# KiCad board Si5351ABreakout_panel.kicad_pcb (continued)
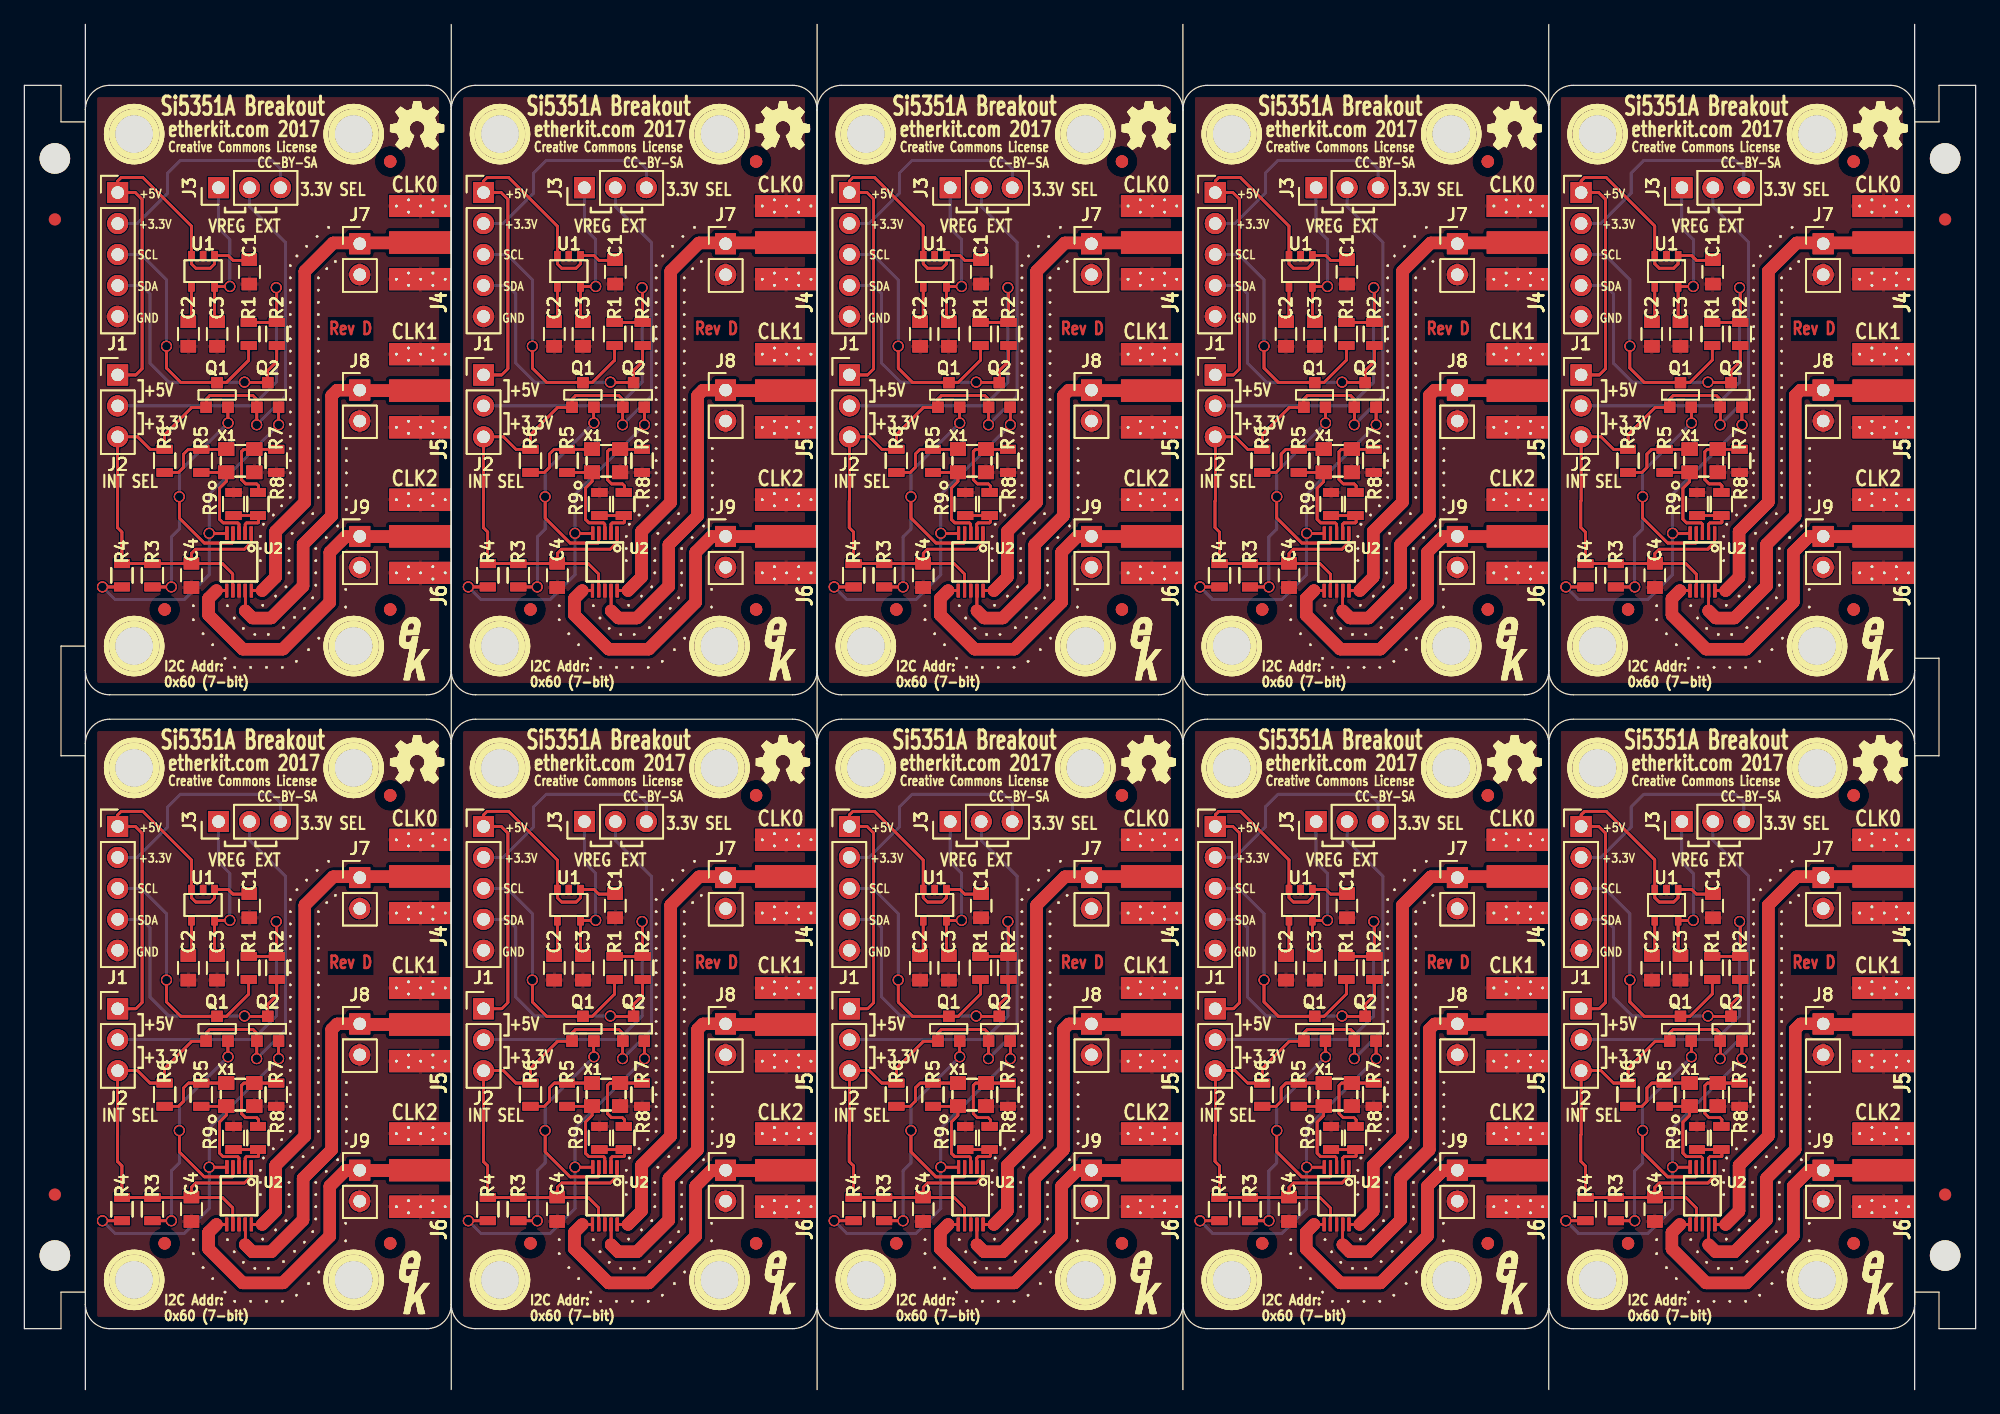
[diagram p0: board, top side]
## Routing (per net, layer and track width the routed paths; a pad name or vN(x,y) marks a point on that pad's centre or on a via; arc(x,y) is an arc through that point) (continued)
Net-(C2-Pad1): length 121.2
  Top w0.2: 13.7,87.8 13.45,87.55 ; 13.7,87.8 U1.4 ; 13.7,87.8 13.45,87.55 ; 13.7,87.8 13.45,87.55 ; 13.7,87.8 U1.4 ; 13.7,87.8 U1.4 ; 13.7,87.8 13.45,87.55 ; 13.7,87.8 U1.4 ; 43.7,87.8 43.45,87.55 ; 43.7,87.8 U1#2.4 ; 43.7,87.8 43.45,87.55 ; 43.7,87.8 43.45,87.55 ; 43.7,87.8 U1#2.4 ; 43.7,87.8 U1#2.4 ; 43.7,87.8 43.45,87.55 ; 43.7,87.8 U1#2.4 ; 73.7,87.8 73.45,87.55 ; 73.7,87.8 U1#3.4 ; 73.7,87.8 73.45,87.55 ; 73.7,87.8 73.45,87.55 ; 73.7,87.8 U1#3.4 ; 73.7,87.8 U1#3.4 ; 73.7,87.8 73.45,87.55 ; 73.7,87.8 U1#3.4 ; 103.7,87.8 103.45,87.55 ; 103.7,87.8 U1#4.4 ; 103.7,87.8 103.45,87.55 ; 103.7,87.8 103.45,87.55 ; 103.7,87.8 U1#4.4 ; 103.7,87.8 U1#4.4 ; 103.7,87.8 103.45,87.55 ; 103.7,87.8 U1#4.4 ; 133.7,87.8 133.45,87.55 ; 133.7,87.8 U1#5.4 ; 133.7,87.8 133.45,87.55 ; 133.7,87.8 133.45,87.55 ; 133.7,87.8 U1#5.4 ; 133.7,87.8 U1#5.4 ; 133.7,87.8 133.45,87.55 ; 133.7,87.8 U1#5.4 ; 103.7,35.8 103.45,35.55 ; 103.7,35.8 103.45,35.55 ; 103.7,35.8 103.45,35.55 ; 103.7,35.8 103.45,35.55 ; 103.7,35.8 U1#37.4 ; 103.7,35.8 U1#37.4 ; 103.7,35.8 U1#37.4 ; 103.7,35.8 U1#37.4 ; U1#33.4 133.7,35.8 ; U1#33.4 133.7,35.8 ; U1#33.4 133.7,35.8 ; U1#33.4 133.7,35.8 ; 133.7,35.8 133.45,35.55 ; 133.7,35.8 133.45,35.55 ; 133.7,35.8 133.45,35.55 ; 133.7,35.8 133.45,35.55 ; U1#25.4 73.7,35.8 ; U1#25.4 73.7,35.8 ; U1#25.4 73.7,35.8 ; U1#25.4 73.7,35.8 ; 73.7,35.8 73.45,35.55 ; 73.7,35.8 73.45,35.55 ; 73.7,35.8 73.45,35.55 ; 73.7,35.8 73.45,35.55 ; U1#21.4 13.7,35.8 ; U1#21.4 13.7,35.8 ; U1#21.4 13.7,35.8 ; U1#21.4 13.7,35.8 ; 13.7,35.8 13.45,35.55 ; 13.7,35.8 13.45,35.55 ; 13.7,35.8 13.45,35.55 ; 13.7,35.8 13.45,35.55 ; U1#29.4 43.7,35.8 ; U1#29.4 43.7,35.8 ; U1#29.4 43.7,35.8 ; U1#29.4 43.7,35.8 ; 43.7,35.8 43.45,35.55 ; 43.7,35.8 43.45,35.55 ; 43.7,35.8 43.45,35.55 ; 43.7,35.8 43.45,35.55
Net-(C3-Pad1): length 510.2
  Top w0.2: 15.6,87.75 15.8,87.55 ; 15.6,87.75 U1.5 ; 15.6,87.75 15.8,87.55 ; 15.6,87.75 15.8,87.55 ; 15.6,87.75 U1.5 ; 15.6,87.75 U1.5 ; 15.6,87.75 15.8,87.55 ; 15.6,87.75 U1.5 ; 45.6,87.75 45.8,87.55 ; 45.6,87.75 U1#2.5 ; 45.6,87.75 45.8,87.55 ; 45.6,87.75 45.8,87.55 ; 45.6,87.75 U1#2.5 ; 45.6,87.75 U1#2.5 ; 45.6,87.75 45.8,87.55 ; 45.6,87.75 U1#2.5 ; 75.6,87.75 75.8,87.55 ; 75.6,87.75 U1#3.5 ; 75.6,87.75 75.8,87.55 ; 75.6,87.75 75.8,87.55 ; 75.6,87.75 U1#3.5 ; 75.6,87.75 U1#3.5 ; 75.6,87.75 75.8,87.55 ; 75.6,87.75 U1#3.5 ; 105.6,87.75 105.8,87.55 ; 105.6,87.75 U1#4.5 ; 105.6,87.75 105.8,87.55 ; 105.6,87.75 105.8,87.55 ; 105.6,87.75 U1#4.5 ; 105.6,87.75 U1#4.5 ; 105.6,87.75 105.8,87.55 ; 105.6,87.75 U1#4.5 ; 135.6,87.75 135.8,87.55 ; 135.6,87.75 U1#5.5 ; 135.6,87.75 135.8,87.55 ; 135.6,87.75 135.8,87.55 ; 135.6,87.75 U1#5.5 ; 135.6,87.75 U1#5.5 ; 135.6,87.75 135.8,87.55 ; 135.6,87.75 U1#5.5 ; v1(16.85,90.5) 16.83,90.48 ; v1(16.85,90.5) 16.83,90.48 ; v1(16.85,90.5) 16.83,90.48 ; v1(16.85,90.5) 16.83,90.48 ; 16.83,90.48 U1.5 ; 16.83,90.48 U1.5 ; 16.83,90.48 U1.5 ; 16.83,90.48 U1.5 ; v1(46.85,90.5) 46.83,90.48 ; v1(46.85,90.5) 46.83,90.48 ; v1(46.85,90.5) 46.83,90.48 ; v1(46.85,90.5) 46.83,90.48 ; 46.83,90.48 U1#2.5 ; 46.83,90.48 U1#2.5 ; 46.83,90.48 U1#2.5 ; 46.83,90.48 U1#2.5 ; v1(76.85,90.5) 76.83,90.48 ; v1(76.85,90.5) 76.83,90.48 ; v1(76.85,90.5) 76.83,90.48 ; v1(76.85,90.5) 76.83,90.48 ; 76.83,90.48 U1#3.5 ; 76.83,90.48 U1#3.5 ; 76.83,90.48 U1#3.5 ; 76.83,90.48 U1#3.5 ; v1(106.85,90.5) 106.83,90.48 ; v1(106.85,90.5) 106.83,90.48 ; v1(106.85,90.5) 106.83,90.48 ; v1(106.85,90.5) 106.83,90.48 ; 106.83,90.48 U1#4.5 ; 106.83,90.48 U1#4.5 ; 106.83,90.48 U1#4.5 ; 106.83,90.48 U1#4.5 ; v1(136.85,90.5) 136.83,90.48 ; v1(136.85,90.5) 136.83,90.48 ; v1(136.85,90.5) 136.83,90.48 ; v1(136.85,90.5) 136.83,90.48 ; 136.83,90.48 U1#5.5 ; 136.83,90.48 U1#5.5 ; 136.83,90.48 U1#5.5 ; 136.83,90.48 U1#5.5 ; v1(106.85,38.5) 106.83,38.48 ; v1(106.85,38.5) 106.83,38.48 ; v1(106.85,38.5) 106.83,38.48 ; v1(106.85,38.5) 106.83,38.48 ; 106.83,38.48 U1#37.5 ; 106.83,38.48 U1#37.5 ; 106.83,38.48 U1#37.5 ; 106.83,38.48 U1#37.5 ; U1#37.5 105.6,35.75 ; U1#37.5 105.6,35.75 ; U1#37.5 105.6,35.75 ; U1#37.5 105.6,35.75 ; 105.6,35.75 105.8,35.55 ; 105.6,35.75 105.8,35.55 ; 105.6,35.75 105.8,35.55 ; 105.6,35.75 105.8,35.55 ; v1(136.85,38.5) 136.83,38.48 ; v1(136.85,38.5) 136.83,38.48 ; v1(136.85,38.5) 136.83,38.48 ; v1(136.85,38.5) 136.83,38.48 ; 136.83,38.48 U1#33.5 ; 136.83,38.48 U1#33.5 ; 136.83,38.48 U1#33.5 ; 136.83,38.48 U1#33.5 ; U1#33.5 135.6,35.75 ; U1#33.5 135.6,35.75 ; U1#33.5 135.6,35.75 ; U1#33.5 135.6,35.75 ; 135.6,35.75 135.8,35.55 ; 135.6,35.75 135.8,35.55 ; 135.6,35.75 135.8,35.55 ; 135.6,35.75 135.8,35.55 ; v1(76.85,38.5) 76.83,38.48 ; v1(76.85,38.5) 76.83,38.48 ; v1(76.85,38.5) 76.83,38.48 ; v1(76.85,38.5) 76.83,38.48 ; 76.83,38.48 U1#25.5 ; 76.83,38.48 U1#25.5 ; 76.83,38.48 U1#25.5 ; 76.83,38.48 U1#25.5 ; U1#25.5 75.6,35.75 ; U1#25.5 75.6,35.75 ; U1#25.5 75.6,35.75 ; U1#25.5 75.6,35.75 ; 75.6,35.75 75.8,35.55 ; 75.6,35.75 75.8,35.55 ; 75.6,35.75 75.8,35.55 ; 75.6,35.75 75.8,35.55 ; 16.83,38.48 U1#21.5 ; 16.83,38.48 v1(16.85,38.5) ; 16.83,38.48 U1#21.5 ; 16.83,38.48 U1#21.5 ; 16.83,38.48 U1#21.5 ; 16.83,38.48 v1(16.85,38.5) ; 16.83,38.48 v1(16.85,38.5) ; 16.83,38.48 v1(16.85,38.5) ; U1#21.5 15.6,35.75 ; U1#21.5 15.6,35.75 ; U1#21.5 15.6,35.75 ; U1#21.5 15.6,35.75 ; 15.6,35.75 15.8,35.55 ; 15.6,35.75 15.8,35.55 ; 15.6,35.75 15.8,35.55 ; 15.6,35.75 15.8,35.55 ; v1(46.85,38.5) 46.83,38.48 ; v1(46.85,38.5) 46.83,38.48 ; v1(46.85,38.5) 46.83,38.48 ; v1(46.85,38.5) 46.83,38.48 ; 46.83,38.48 U1#29.5 ; 46.83,38.48 U1#29.5 ; 46.83,38.48 U1#29.5 ; 46.83,38.48 U1#29.5 ; U1#29.5 45.6,35.75 ; U1#29.5 45.6,35.75 ; U1#29.5 45.6,35.75 ; U1#29.5 45.6,35.75 ; 45.6,35.75 45.8,35.55 ; 45.6,35.75 45.8,35.55 ; 45.6,35.75 45.8,35.55 ; 45.6,35.75 45.8,35.55
  Bottom w0.2: 15.91,95.29 16.85,94.35 ; 15.91,95.29 15.91,98.6 ; 15.91,95.29 16.85,94.35 ; 15.91,95.29 16.85,94.35 ; 15.91,95.29 15.91,98.6 ; 15.91,95.29 15.91,98.6 ; 15.91,95.29 16.85,94.35 ; 15.91,95.29 15.91,98.6 ; 16.85,94.35 v1(16.85,90.5) ; 16.85,94.35 v1(16.85,90.5) ; 16.85,94.35 v1(16.85,90.5) ; 16.85,94.35 v1(16.85,90.5) ; 45.91,95.29 46.85,94.35 ; 45.91,95.29 45.91,98.6 ; 45.91,95.29 46.85,94.35 ; 45.91,95.29 46.85,94.35 ; 45.91,95.29 45.91,98.6 ; 45.91,95.29 45.91,98.6 ; 45.91,95.29 46.85,94.35 ; 45.91,95.29 45.91,98.6 ; 46.85,94.35 v1(46.85,90.5) ; 46.85,94.35 v1(46.85,90.5) ; 46.85,94.35 v1(46.85,90.5) ; 46.85,94.35 v1(46.85,90.5) ; 75.91,95.29 76.85,94.35 ; 75.91,95.29 75.91,98.6 ; 75.91,95.29 76.85,94.35 ; 75.91,95.29 76.85,94.35 ; 75.91,95.29 75.91,98.6 ; 75.91,95.29 75.91,98.6 ; 75.91,95.29 76.85,94.35 ; 75.91,95.29 75.91,98.6 ; 76.85,94.35 v1(76.85,90.5) ; 76.85,94.35 v1(76.85,90.5) ; 76.85,94.35 v1(76.85,90.5) ; 76.85,94.35 v1(76.85,90.5) ; 105.91,95.29 106.85,94.35 ; 105.91,95.29 105.91,98.6 ; 105.91,95.29 106.85,94.35 ; 105.91,95.29 106.85,94.35 ; 105.91,95.29 105.91,98.6 ; 105.91,95.29 105.91,98.6 ; 105.91,95.29 106.85,94.35 ; 105.91,95.29 105.91,98.6 ; 106.85,94.35 v1(106.85,90.5) ; 106.85,94.35 v1(106.85,90.5) ; 106.85,94.35 v1(106.85,90.5) ; 106.85,94.35 v1(106.85,90.5) ; 135.91,95.29 136.85,94.35 ; 135.91,95.29 135.91,98.6 ; 135.91,95.29 136.85,94.35 ; 135.91,95.29 136.85,94.35 ; 135.91,95.29 135.91,98.6 ; 135.91,95.29 135.91,98.6 ; 135.91,95.29 136.85,94.35 ; 135.91,95.29 135.91,98.6 ; 136.85,94.35 v1(136.85,90.5) ; 136.85,94.35 v1(136.85,90.5) ; 136.85,94.35 v1(136.85,90.5) ; 136.85,94.35 v1(136.85,90.5) ; 135.91,46.6 135.91,43.29 ; 135.91,46.6 135.91,43.29 ; 135.91,46.6 135.91,43.29 ; 135.91,46.6 135.91,43.29 ; 135.91,43.29 136.85,42.35 ; 135.91,43.29 136.85,42.35 ; 135.91,43.29 136.85,42.35 ; 135.91,43.29 136.85,42.35 ; 136.85,42.35 v1(136.85,38.5) ; 136.85,42.35 v1(136.85,38.5) ; 136.85,42.35 v1(136.85,38.5) ; 136.85,42.35 v1(136.85,38.5) ; 106.85,42.35 v1(106.85,38.5) ; 106.85,42.35 105.91,43.29 ; 106.85,42.35 v1(106.85,38.5) ; 106.85,42.35 v1(106.85,38.5) ; 106.85,42.35 105.91,43.29 ; 106.85,42.35 105.91,43.29 ; 106.85,42.35 v1(106.85,38.5) ; 106.85,42.35 105.91,43.29 ; 105.91,43.29 105.91,46.6 ; 105.91,43.29 105.91,46.6 ; 105.91,43.29 105.91,46.6 ; 105.91,43.29 105.91,46.6 ; 75.91,43.29 76.85,42.35 ; 75.91,43.29 76.85,42.35 ; 75.91,43.29 76.85,42.35 ; 75.91,43.29 76.85,42.35 ; 75.91,43.29 75.91,46.6 ; 75.91,43.29 75.91,46.6 ; 75.91,43.29 75.91,46.6 ; 75.91,43.29 75.91,46.6 ; 76.85,42.35 v1(76.85,38.5) ; 76.85,42.35 v1(76.85,38.5) ; 76.85,42.35 v1(76.85,38.5) ; 76.85,42.35 v1(76.85,38.5) ; 45.91,46.6 45.91,43.29 ; 45.91,46.6 45.91,43.29 ; 45.91,46.6 45.91,43.29 ; 45.91,46.6 45.91,43.29 ; 45.91,43.29 46.85,42.35 ; 45.91,43.29 46.85,42.35 ; 45.91,43.29 46.85,42.35 ; 45.91,43.29 46.85,42.35 ; 46.85,42.35 v1(46.85,38.5) ; 46.85,42.35 v1(46.85,38.5) ; 46.85,42.35 v1(46.85,38.5) ; 46.85,42.35 v1(46.85,38.5) ; 15.91,46.6 15.91,43.29 ; 15.91,46.6 15.91,43.29 ; 15.91,46.6 15.91,43.29 ; 15.91,46.6 15.91,43.29 ; 15.91,43.29 16.85,42.35 ; 15.91,43.29 16.85,42.35 ; 15.91,43.29 16.85,42.35 ; 15.91,43.29 16.85,42.35 ; 16.85,42.35 v1(16.85,38.5) ; 16.85,42.35 v1(16.85,38.5) ; 16.85,42.35 v1(16.85,38.5) ; 16.85,42.35 v1(16.85,38.5)
Net-(J1-Pad3): length 852.2
  Top w0.2: 16.57,82.62 18.4,84.45 ; 16.57,82.62 Q1.3 ; 16.57,82.62 18.4,84.45 ; 16.57,82.62 18.4,84.45 ; 16.57,82.62 Q1.3 ; 16.57,82.62 Q1.3 ; 16.57,82.62 18.4,84.45 ; 16.57,82.62 Q1.3 ; 18.4,84.45 18.4,85.65 ; 18.4,84.45 18.4,85.65 ; 18.4,84.45 18.4,85.65 ; 18.4,84.45 18.4,85.65 ; 46.57,82.62 48.4,84.45 ; 46.57,82.62 Q1#2.3 ; 46.57,82.62 48.4,84.45 ; 46.57,82.62 48.4,84.45 ; 46.57,82.62 Q1#2.3 ; 46.57,82.62 Q1#2.3 ; 46.57,82.62 48.4,84.45 ; 46.57,82.62 Q1#2.3 ; 48.4,84.45 48.4,85.65 ; 48.4,84.45 48.4,85.65 ; 48.4,84.45 48.4,85.65 ; 48.4,84.45 48.4,85.65 ; 76.57,82.62 78.4,84.45 ; 76.57,82.62 Q1#3.3 ; 76.57,82.62 78.4,84.45 ; 76.57,82.62 78.4,84.45 ; 76.57,82.62 Q1#3.3 ; 76.57,82.62 Q1#3.3 ; 76.57,82.62 78.4,84.45 ; 76.57,82.62 Q1#3.3 ; 78.4,84.45 78.4,85.65 ; 78.4,84.45 78.4,85.65 ; 78.4,84.45 78.4,85.65 ; 78.4,84.45 78.4,85.65 ; 106.57,82.62 108.4,84.45 ; 106.57,82.62 Q1#4.3 ; 106.57,82.62 108.4,84.45 ; 106.57,82.62 108.4,84.45 ; 106.57,82.62 Q1#4.3 ; 106.57,82.62 Q1#4.3 ; 106.57,82.62 108.4,84.45 ; 106.57,82.62 Q1#4.3 ; 108.4,84.45 108.4,85.65 ; 108.4,84.45 108.4,85.65 ; 108.4,84.45 108.4,85.65 ; 108.4,84.45 108.4,85.65 ; 136.57,82.62 138.4,84.45 ; 136.57,82.62 Q1#5.3 ; 136.57,82.62 138.4,84.45 ; 136.57,82.62 138.4,84.45 ; 136.57,82.62 Q1#5.3 ; 136.57,82.62 Q1#5.3 ; 136.57,82.62 138.4,84.45 ; 136.57,82.62 Q1#5.3 ; 138.4,84.45 138.4,85.65 ; 138.4,84.45 138.4,85.65 ; 138.4,84.45 138.4,85.65 ; 138.4,84.45 138.4,85.65 ; v1(11.65,85.6) 11.65,83.8 ; v1(11.65,85.6) 11.65,83.8 ; v1(11.65,85.6) 11.65,83.8 ; v1(11.65,85.6) 11.65,83.8 ; 11.65,83.8 12.83,82.62 ; 11.65,83.8 12.83,82.62 ; 11.65,83.8 12.83,82.62 ; 11.65,83.8 12.83,82.62 ; v1(41.65,85.6) 41.65,83.8 ; v1(41.65,85.6) 41.65,83.8 ; v1(41.65,85.6) 41.65,83.8 ; v1(41.65,85.6) 41.65,83.8 ; 41.65,83.8 42.83,82.62 ; 41.65,83.8 42.83,82.62 ; 41.65,83.8 42.83,82.62 ; 41.65,83.8 42.83,82.62 ; v1(71.65,85.6) 71.65,83.8 ; v1(71.65,85.6) 71.65,83.8 ; v1(71.65,85.6) 71.65,83.8 ; v1(71.65,85.6) 71.65,83.8 ; 71.65,83.8 72.83,82.62 ; 71.65,83.8 72.83,82.62 ; 71.65,83.8 72.83,82.62 ; 71.65,83.8 72.83,82.62 ; v1(101.65,85.6) 101.65,83.8 ; v1(101.65,85.6) 101.65,83.8 ; v1(101.65,85.6) 101.65,83.8 ; v1(101.65,85.6) 101.65,83.8 ; 101.65,83.8 102.83,82.62 ; 101.65,83.8 102.83,82.62 ; 101.65,83.8 102.83,82.62 ; 101.65,83.8 102.83,82.62 ; v1(131.65,85.6) 131.65,83.8 ; v1(131.65,85.6) 131.65,83.8 ; v1(131.65,85.6) 131.65,83.8 ; v1(131.65,85.6) 131.65,83.8 ; 131.65,83.8 132.83,82.62 ; 131.65,83.8 132.83,82.62 ; 131.65,83.8 132.83,82.62 ; 131.65,83.8 132.83,82.62 ; 12.83,82.62 Q1.3 ; 12.83,82.62 Q1.3 ; 12.83,82.62 Q1.3 ; 12.83,82.62 Q1.3 ; 42.83,82.62 Q1#2.3 ; 42.83,82.62 Q1#2.3 ; 42.83,82.62 Q1#2.3 ; 42.83,82.62 Q1#2.3 ; 72.83,82.62 Q1#3.3 ; 72.83,82.62 Q1#3.3 ; 72.83,82.62 Q1#3.3 ; 72.83,82.62 Q1#3.3 ; 102.83,82.62 Q1#4.3 ; 102.83,82.62 Q1#4.3 ; 102.83,82.62 Q1#4.3 ; 102.83,82.62 Q1#4.3 ; 132.83,82.62 Q1#5.3 ; 132.83,82.62 Q1#5.3 ; 132.83,82.62 Q1#5.3 ; 132.83,82.62 Q1#5.3 ; 102.83,30.62 Q1#37.3 ; 102.83,30.62 Q1#37.3 ; 102.83,30.62 Q1#37.3 ; 102.83,30.62 Q1#37.3 ; 102.83,30.62 101.65,31.8 ; 102.83,30.62 101.65,31.8 ; 102.83,30.62 101.65,31.8 ; 102.83,30.62 101.65,31.8 ; Q1#37.3 106.57,30.62 ; Q1#37.3 106.57,30.62 ; Q1#37.3 106.57,30.62 ; Q1#37.3 106.57,30.62 ; 101.65,31.8 v1(101.65,33.6) ; 101.65,31.8 v1(101.65,33.6) ; 101.65,31.8 v1(101.65,33.6) ; 101.65,31.8 v1(101.65,33.6) ; 131.65,31.8 132.83,30.62 ; 131.65,31.8 132.83,30.62 ; 131.65,31.8 132.83,30.62 ; 131.65,31.8 132.83,30.62 ; 131.65,31.8 v1(131.65,33.6) ; 131.65,31.8 v1(131.65,33.6) ; 131.65,31.8 v1(131.65,33.6) ; 131.65,31.8 v1(131.65,33.6) ; 132.83,30.62 Q1#33.3 ; 132.83,30.62 Q1#33.3 ; 132.83,30.62 Q1#33.3 ; 132.83,30.62 Q1#33.3 ; Q1#33.3 136.57,30.62 ; Q1#33.3 136.57,30.62 ; Q1#33.3 136.57,30.62 ; Q1#33.3 136.57,30.62 ; 136.57,30.62 138.4,32.45 ; 136.57,30.62 138.4,32.45 ; 136.57,30.62 138.4,32.45 ; 136.57,30.62 138.4,32.45 ; 138.4,32.45 138.4,33.65 ; 138.4,32.45 138.4,33.65 ; 138.4,32.45 138.4,33.65 ; 138.4,32.45 138.4,33.65 ; 106.57,30.62 108.4,32.45 ; 106.57,30.62 108.4,32.45 ; 106.57,30.62 108.4,32.45 ; 106.57,30.62 108.4,32.45 ; 108.4,32.45 108.4,33.65 ; 108.4,32.45 108.4,33.65 ; 108.4,32.45 108.4,33.65 ; 108.4,32.45 108.4,33.65 ; 78.4,32.45 78.4,33.65 ; 78.4,32.45 78.4,33.65 ; 78.4,32.45 78.4,33.65 ; 78.4,32.45 78.4,33.65 ; 78.4,32.45 76.57,30.62 ; 78.4,32.45 76.57,30.62 ; 78.4,32.45 76.57,30.62 ; 78.4,32.45 76.57,30.62 ; 76.57,30.62 Q1#21.3 ; 76.57,30.62 Q1#21.3 ; 76.57,30.62 Q1#21.3 ; 76.57,30.62 Q1#21.3 ; v1(71.65,33.6) 71.65,31.8 ; v1(71.65,33.6) 71.65,31.8 ; v1(71.65,33.6) 71.65,31.8 ; v1(71.65,33.6) 71.65,31.8 ; 71.65,31.8 72.83,30.62 ; 71.65,31.8 72.83,30.62 ; 71.65,31.8 72.83,30.62 ; 71.65,31.8 72.83,30.62 ; 72.83,30.62 Q1#21.3 ; 72.83,30.62 Q1#21.3 ; 72.83,30.62 Q1#21.3 ; 72.83,30.62 Q1#21.3 ; Q1#25.3 16.57,30.62 ; Q1#25.3 16.57,30.62 ; Q1#25.3 16.57,30.62 ; Q1#25.3 16.57,30.62 ; Q1#25.3 12.83,30.62 ; Q1#25.3 12.83,30.62 ; Q1#25.3 12.83,30.62 ; Q1#25.3 12.83,30.62 ; 16.57,30.62 18.4,32.45 ; 16.57,30.62 18.4,32.45 ; 16.57,30.62 18.4,32.45 ; 16.57,30.62 18.4,32.45 ; 18.4,32.45 18.4,33.65 ; 18.4,32.45 18.4,33.65 ; 18.4,32.45 18.4,33.65 ; 18.4,32.45 18.4,33.65 ; 11.65,31.8 12.83,30.62 ; 11.65,31.8 12.83,30.62 ; 11.65,31.8 12.83,30.62 ; 11.65,31.8 12.83,30.62 ; 11.65,31.8 v1(11.65,33.6) ; 11.65,31.8 v1(11.65,33.6) ; 11.65,31.8 v1(11.65,33.6) ; 11.65,31.8 v1(11.65,33.6) ; 42.83,30.62 Q1#29.3 ; 42.83,30.62 Q1#29.3 ; 42.83,30.62 Q1#29.3 ; 42.83,30.62 Q1#29.3 ; 42.83,30.62 41.65,31.8 ; 42.83,30.62 41.65,31.8 ; 42.83,30.62 41.65,31.8 ; 42.83,30.62 41.65,31.8 ; Q1#29.3 46.57,30.62 ; Q1#29.3 46.57,30.62 ; Q1#29.3 46.57,30.62 ; Q1#29.3 46.57,30.62 ; 46.57,30.62 48.4,32.45 ; 46.57,30.62 48.4,32.45 ; 46.57,30.62 48.4,32.45 ; 46.57,30.62 48.4,32.45 ; v1(41.65,33.6) 41.65,31.8 ; v1(41.65,33.6) 41.65,31.8 ; v1(41.65,33.6) 41.65,31.8 ; v1(41.65,33.6) 41.65,31.8 ; 48.4,32.45 48.4,33.65 ; 48.4,32.45 48.4,33.65 ; 48.4,32.45 48.4,33.65 ; 48.4,32.45 48.4,33.65
  Bottom w0.2: 9.58,93.12 11.65,91.05 ; 9.58,93.12 J1.3 ; 9.58,93.12 11.65,91.05 ; 9.58,93.12 11.65,91.05 ; 9.58,93.12 J1.3 ; 9.58,93.12 J1.3 ; 9.58,93.12 11.65,91.05 ; 9.58,93.12 J1.3 ; 11.65,91.05 v1(11.65,85.6) ; 11.65,91.05 v1(11.65,85.6) ; 11.65,91.05 v1(11.65,85.6) ; 11.65,91.05 v1(11.65,85.6) ; 39.58,93.12 41.65,91.05 ; 39.58,93.12 J1#2.3 ; 39.58,93.12 41.65,91.05 ; 39.58,93.12 41.65,91.05 ; 39.58,93.12 J1#2.3 ; 39.58,93.12 J1#2.3 ; 39.58,93.12 41.65,91.05 ; 39.58,93.12 J1#2.3 ; 41.65,91.05 v1(41.65,85.6) ; 41.65,91.05 v1(41.65,85.6) ; 41.65,91.05 v1(41.65,85.6) ; 41.65,91.05 v1(41.65,85.6) ; 69.58,93.12 71.65,91.05 ; 69.58,93.12 J1#3.3 ; 69.58,93.12 71.65,91.05 ; 69.58,93.12 71.65,91.05 ; 69.58,93.12 J1#3.3 ; 69.58,93.12 J1#3.3 ; 69.58,93.12 71.65,91.05 ; 69.58,93.12 J1#3.3 ; 71.65,91.05 v1(71.65,85.6) ; 71.65,91.05 v1(71.65,85.6) ; 71.65,91.05 v1(71.65,85.6) ; 71.65,91.05 v1(71.65,85.6) ; 99.58,93.12 101.65,91.05 ; 99.58,93.12 J1#4.3 ; 99.58,93.12 101.65,91.05 ; 99.58,93.12 101.65,91.05 ; 99.58,93.12 J1#4.3 ; 99.58,93.12 J1#4.3 ; 99.58,93.12 101.65,91.05 ; 99.58,93.12 J1#4.3 ; 101.65,91.05 v1(101.65,85.6) ; 101.65,91.05 v1(101.65,85.6) ; 101.65,91.05 v1(101.65,85.6) ; 101.65,91.05 v1(101.65,85.6) ; 129.58,93.12 131.65,91.05 ; 129.58,93.12 J1#5.3 ; 129.58,93.12 131.65,91.05 ; 129.58,93.12 131.65,91.05 ; 129.58,93.12 J1#5.3 ; 129.58,93.12 J1#5.3 ; 129.58,93.12 131.65,91.05 ; 129.58,93.12 J1#5.3 ; 131.65,91.05 v1(131.65,85.6) ; 131.65,91.05 v1(131.65,85.6) ; 131.65,91.05 v1(131.65,85.6) ; 131.65,91.05 v1(131.65,85.6) ; 131.65,39.05 v1(131.65,33.6) ; 131.65,39.05 129.58,41.12 ; 131.65,39.05 129.58,41.12 ; 131.65,39.05 129.58,41.12 ; 131.65,39.05 129.58,41.12 ; 131.65,39.05 v1(131.65,33.6) ; 131.65,39.05 v1(131.65,33.6) ; 131.65,39.05 v1(131.65,33.6) ; J1#33.3 129.58,41.12 ; J1#33.3 129.58,41.12 ; J1#33.3 129.58,41.12 ; J1#33.3 129.58,41.12 ; J1#37.3 99.58,41.12 ; J1#37.3 99.58,41.12 ; J1#37.3 99.58,41.12 ; J1#37.3 99.58,41.12 ; 99.58,41.12 101.65,39.05 ; 99.58,41.12 101.65,39.05 ; 99.58,41.12 101.65,39.05 ; 99.58,41.12 101.65,39.05 ; 101.65,39.05 v1(101.65,33.6) ; 101.65,39.05 v1(101.65,33.6) ; 101.65,39.05 v1(101.65,33.6) ; 101.65,39.05 v1(101.65,33.6) ; 69.58,41.12 71.65,39.05 ; 69.58,41.12 71.65,39.05 ; 69.58,41.12 71.65,39.05 ; 69.58,41.12 71.65,39.05 ; 69.58,41.12 J1#29.3 ; 69.58,41.12 J1#29.3 ; 69.58,41.12 J1#29.3 ; 69.58,41.12 J1#29.3 ; 71.65,39.05 v1(71.65,33.6) ; 71.65,39.05 v1(71.65,33.6) ; 71.65,39.05 v1(71.65,33.6) ; 71.65,39.05 v1(71.65,33.6) ; 39.58,41.12 41.65,39.05 ; 39.58,41.12 41.65,39.05 ; 39.58,41.12 41.65,39.05 ; 39.58,41.12 41.65,39.05 ; 39.58,41.12 J1#25.3 ; 39.58,41.12 J1#25.3 ; 39.58,41.12 J1#25.3 ; 39.58,41.12 J1#25.3 ; 41.65,39.05 v1(41.65,33.6) ; 41.65,39.05 v1(41.65,33.6) ; 41.65,39.05 v1(41.65,33.6) ; 41.65,39.05 v1(41.65,33.6) ; J1#21.3 9.58,41.12 ; J1#21.3 9.58,41.12 ; J1#21.3 9.58,41.12 ; J1#21.3 9.58,41.12 ; 9.58,41.12 11.65,39.05 ; 9.58,41.12 11.65,39.05 ; 9.58,41.12 11.65,39.05 ; 9.58,41.12 11.65,39.05 ; 11.65,39.05 v1(11.65,33.6) ; 11.65,39.05 v1(11.65,33.6) ; 11.65,39.05 v1(11.65,33.6) ; 11.65,39.05 v1(11.65,33.6)
Net-(J1-Pad4): length 891.2
  Top w0.2: 19.95,83.6 20.7,84.35 ; 19.95,83.6 Q2.3 ; 19.95,83.6 20.7,84.35 ; 19.95,83.6 20.7,84.35 ; 19.95,83.6 Q2.3 ; 19.95,83.6 Q2.3 ; 19.95,83.6 20.7,84.35 ; 19.95,83.6 Q2.3 ; 20.7,84.35 20.7,85.65 ; 20.7,84.35 20.7,85.65 ; 20.7,84.35 20.7,85.65 ; 20.7,84.35 20.7,85.65 ; 49.95,83.6 50.7,84.35 ; 49.95,83.6 Q2#2.3 ; 49.95,83.6 50.7,84.35 ; 49.95,83.6 50.7,84.35 ; 49.95,83.6 Q2#2.3 ; 49.95,83.6 Q2#2.3 ; 49.95,83.6 50.7,84.35 ; 49.95,83.6 Q2#2.3 ; 50.7,84.35 50.7,85.65 ; 50.7,84.35 50.7,85.65 ; 50.7,84.35 50.7,85.65 ; 50.7,84.35 50.7,85.65 ; 79.95,83.6 80.7,84.35 ; 79.95,83.6 Q2#3.3 ; 79.95,83.6 80.7,84.35 ; 79.95,83.6 80.7,84.35 ; 79.95,83.6 Q2#3.3 ; 79.95,83.6 Q2#3.3 ; 79.95,83.6 80.7,84.35 ; 79.95,83.6 Q2#3.3 ; 80.7,84.35 80.7,85.65 ; 80.7,84.35 80.7,85.65 ; 80.7,84.35 80.7,85.65 ; 80.7,84.35 80.7,85.65 ; 109.95,83.6 110.7,84.35 ; 109.95,83.6 Q2#4.3 ; 109.95,83.6 110.7,84.35 ; 109.95,83.6 110.7,84.35 ; 109.95,83.6 Q2#4.3 ; 109.95,83.6 Q2#4.3 ; 109.95,83.6 110.7,84.35 ; 109.95,83.6 Q2#4.3 ; 110.7,84.35 110.7,85.65 ; 110.7,84.35 110.7,85.65 ; 110.7,84.35 110.7,85.65 ; 110.7,84.35 110.7,85.65 ; 139.95,83.6 140.7,84.35 ; 139.95,83.6 Q2#5.3 ; 139.95,83.6 140.7,84.35 ; 139.95,83.6 140.7,84.35 ; 139.95,83.6 Q2#5.3 ; 139.95,83.6 Q2#5.3 ; 139.95,83.6 140.7,84.35 ; 139.95,83.6 Q2#5.3 ; 140.7,84.35 140.7,85.65 ; 140.7,84.35 140.7,85.65 ; 140.7,84.35 140.7,85.65 ; 140.7,84.35 140.7,85.65 ; v1(18.05,82.65) 18.08,82.62 ; v1(18.05,82.65) 18.08,82.62 ; v1(18.05,82.65) 18.08,82.62 ; v1(18.05,82.65) 18.08,82.62 ; 18.08,82.62 Q2.3 ; 18.08,82.62 Q2.3 ; 18.08,82.62 Q2.3 ; 18.08,82.62 Q2.3 ; v1(48.05,82.65) 48.08,82.62 ; v1(48.05,82.65) 48.08,82.62 ; v1(48.05,82.65) 48.08,82.62 ; v1(48.05,82.65) 48.08,82.62 ; 48.08,82.62 Q2#2.3 ; 48.08,82.62 Q2#2.3 ; 48.08,82.62 Q2#2.3 ; 48.08,82.62 Q2#2.3 ; v1(78.05,82.65) 78.08,82.62 ; v1(78.05,82.65) 78.08,82.62 ; v1(78.05,82.65) 78.08,82.62 ; v1(78.05,82.65) 78.08,82.62 ; 78.08,82.62 Q2#3.3 ; 78.08,82.62 Q2#3.3 ; 78.08,82.62 Q2#3.3 ; 78.08,82.62 Q2#3.3 ; v1(108.05,82.65) 108.08,82.62 ; v1(108.05,82.65) 108.08,82.62 ; v1(108.05,82.65) 108.08,82.62 ; v1(108.05,82.65) 108.08,82.62 ; 108.08,82.62 Q2#4.3 ; 108.08,82.62 Q2#4.3 ; 108.08,82.62 Q2#4.3 ; 108.08,82.62 Q2#4.3 ; v1(138.05,82.65) 138.08,82.62 ; v1(138.05,82.65) 138.08,82.62 ; v1(138.05,82.65) 138.08,82.62 ; v1(138.05,82.65) 138.08,82.62 ; 138.08,82.62 Q2#5.3 ; 138.08,82.62 Q2#5.3 ; 138.08,82.62 Q2#5.3 ; 138.08,82.62 Q2#5.3 ; 140.7,32.35 140.7,33.65 ; 140.7,32.35 140.7,33.65 ; 140.7,32.35 140.7,33.65 ; 140.7,32.35 139.95,31.6 ; 140.7,32.35 139.95,31.6 ; 140.7,32.35 139.95,31.6 ; 140.7,32.35 140.7,33.65 ; 140.7,32.35 139.95,31.6 ; 139.95,31.6 Q2#33.3 ; 139.95,31.6 Q2#33.3 ; 139.95,31.6 Q2#33.3 ; 139.95,31.6 Q2#33.3 ; v1(138.05,30.65) 138.08,30.62 ; v1(138.05,30.65) 138.08,30.62 ; v1(138.05,30.65) 138.08,30.62 ; v1(138.05,30.65) 138.08,30.62 ; 138.08,30.62 Q2#33.3 ; 138.08,30.62 Q2#33.3 ; 138.08,30.62 Q2#33.3 ; 138.08,30.62 Q2#33.3 ; v1(108.05,30.65) 108.08,30.62 ; v1(108.05,30.65) 108.08,30.62 ; v1(108.05,30.65) 108.08,30.62 ; v1(108.05,30.65) 108.08,30.62 ; 108.08,30.62 Q2#37.3 ; 108.08,30.62 Q2#37.3 ; 108.08,30.62 Q2#37.3 ; 108.08,30.62 Q2#37.3 ; 109.95,31.6 110.7,32.35 ; 109.95,31.6 Q2#37.3 ; 109.95,31.6 Q2#37.3 ; 109.95,31.6 Q2#37.3 ; 109.95,31.6 Q2#37.3 ; 109.95,31.6 110.7,32.35 ; 109.95,31.6 110.7,32.35 ; 109.95,31.6 110.7,32.35 ; 110.7,32.35 110.7,33.65 ; 110.7,32.35 110.7,33.65 ; 110.7,32.35 110.7,33.65 ; 110.7,32.35 110.7,33.65 ; 80.7,32.35 80.7,33.65 ; 80.7,32.35 79.95,31.6 ; 80.7,32.35 80.7,33.65 ; 80.7,32.35 79.95,31.6 ; 80.7,32.35 80.7,33.65 ; 80.7,32.35 79.95,31.6 ; 80.7,32.35 80.7,33.65 ; 80.7,32.35 79.95,31.6 ; 79.95,31.6 Q2#21.3 ; 79.95,31.6 Q2#21.3 ; 79.95,31.6 Q2#21.3 ; 79.95,31.6 Q2#21.3 ; Q2#21.3 78.08,30.62 ; Q2#21.3 78.08,30.62 ; Q2#21.3 78.08,30.62 ; Q2#21.3 78.08,30.62 ; 78.08,30.62 v1(78.05,30.65) ; 78.08,30.62 v1(78.05,30.65) ; 78.08,30.62 v1(78.05,30.65) ; 78.08,30.62 v1(78.05,30.65) ; 20.7,32.35 20.7,33.65 ; 20.7,32.35 20.7,33.65 ; 20.7,32.35 20.7,33.65 ; 20.7,32.35 20.7,33.65 ; 20.7,32.35 19.95,31.6 ; 20.7,32.35 19.95,31.6 ; 20.7,32.35 19.95,31.6 ; 20.7,32.35 19.95,31.6 ; 19.95,31.6 Q2#23.3 ; 19.95,31.6 Q2#23.3 ; 19.95,31.6 Q2#23.3 ; 19.95,31.6 Q2#23.3 ; v1(18.05,30.65) 18.08,30.62 ; v1(18.05,30.65) 18.08,30.62 ; v1(18.05,30.65) 18.08,30.62 ; v1(18.05,30.65) 18.08,30.62 ; 18.08,30.62 Q2#23.3 ; 18.08,30.62 Q2#23.3 ; 18.08,30.62 Q2#23.3 ; 18.08,30.62 Q2#23.3 ; Q2#29.3 49.95,31.6 ; Q2#29.3 48.08,30.62 ; Q2#29.3 49.95,31.6 ; Q2#29.3 49.95,31.6 ; Q2#29.3 49.95,31.6 ; Q2#29.3 48.08,30.62 ; Q2#29.3 48.08,30.62 ; Q2#29.3 48.08,30.62 ; 49.95,31.6 50.7,32.35 ; 49.95,31.6 50.7,32.35 ; 49.95,31.6 50.7,32.35 ; 49.95,31.6 50.7,32.35 ; 48.08,30.62 v1(48.05,30.65) ; 48.08,30.62 v1(48.05,30.65) ; 48.08,30.62 v1(48.05,30.65) ; 48.08,30.62 v1(48.05,30.65) ; 50.7,32.35 50.7,33.65 ; 50.7,32.35 50.7,33.65 ; 50.7,32.35 50.7,33.65 ; 50.7,32.35 50.7,33.65
  Bottom w0.2: 9.62,90.58 10.3,89.9 ; 9.62,90.58 J1.4 ; 9.62,90.58 10.3,89.9 ; 9.62,90.58 10.3,89.9 ; 9.62,90.58 J1.4 ; 9.62,90.58 J1.4 ; 9.62,90.58 10.3,89.9 ; 9.62,90.58 J1.4 ; 10.3,89.9 10.3,84.2 ; 10.3,89.9 10.3,84.2 ; 10.3,89.9 10.3,84.2 ; 10.3,89.9 10.3,84.2 ; 39.62,90.58 40.3,89.9 ; 39.62,90.58 J1#2.4 ; 39.62,90.58 40.3,89.9 ; 39.62,90.58 40.3,89.9 ; 39.62,90.58 J1#2.4 ; 39.62,90.58 J1#2.4 ; 39.62,90.58 40.3,89.9 ; 39.62,90.58 J1#2.4 ; 40.3,89.9 40.3,84.2 ; 40.3,89.9 40.3,84.2 ; 40.3,89.9 40.3,84.2 ; 40.3,89.9 40.3,84.2 ; 69.62,90.58 70.3,89.9 ; 69.62,90.58 J1#3.4 ; 69.62,90.58 70.3,89.9 ; 69.62,90.58 70.3,89.9 ; 69.62,90.58 J1#3.4 ; 69.62,90.58 J1#3.4 ; 69.62,90.58 70.3,89.9 ; 69.62,90.58 J1#3.4 ; 70.3,89.9 70.3,84.2 ; 70.3,89.9 70.3,84.2 ; 70.3,89.9 70.3,84.2 ; 70.3,89.9 70.3,84.2 ; 99.62,90.58 100.3,89.9 ; 99.62,90.58 J1#4.4 ; 99.62,90.58 100.3,89.9 ; 99.62,90.58 100.3,89.9 ; 99.62,90.58 J1#4.4 ; 99.62,90.58 J1#4.4 ; 99.62,90.58 100.3,89.9 ; 99.62,90.58 J1#4.4 ; 100.3,89.9 100.3,84.2 ; 100.3,89.9 100.3,84.2 ; 100.3,89.9 100.3,84.2 ; 100.3,89.9 100.3,84.2 ; 129.62,90.58 130.3,89.9 ; 129.62,90.58 J1#5.4 ; 129.62,90.58 130.3,89.9 ; 129.62,90.58 130.3,89.9 ; 129.62,90.58 J1#5.4 ; 129.62,90.58 J1#5.4 ; 129.62,90.58 130.3,89.9 ; 129.62,90.58 J1#5.4 ; 130.3,89.9 130.3,84.2 ; 130.3,89.9 130.3,84.2 ; 130.3,89.9 130.3,84.2 ; 130.3,89.9 130.3,84.2 ; 10.3,84.2 11.85,82.65 ; 10.3,84.2 11.85,82.65 ; 10.3,84.2 11.85,82.65 ; 10.3,84.2 11.85,82.65 ; 40.3,84.2 41.85,82.65 ; 40.3,84.2 41.85,82.65 ; 40.3,84.2 41.85,82.65 ; 40.3,84.2 41.85,82.65 ; 70.3,84.2 71.85,82.65 ; 70.3,84.2 71.85,82.65 ; 70.3,84.2 71.85,82.65 ; 70.3,84.2 71.85,82.65 ; 100.3,84.2 101.85,82.65 ; 100.3,84.2 101.85,82.65 ; 100.3,84.2 101.85,82.65 ; 100.3,84.2 101.85,82.65 ; 130.3,84.2 131.85,82.65 ; 130.3,84.2 131.85,82.65 ; 130.3,84.2 131.85,82.65 ; 130.3,84.2 131.85,82.65 ; 11.85,82.65 v1(18.05,82.65) ; 11.85,82.65 v1(18.05,82.65) ; 11.85,82.65 v1(18.05,82.65) ; 11.85,82.65 v1(18.05,82.65) ; 41.85,82.65 v1(48.05,82.65) ; 41.85,82.65 v1(48.05,82.65) ; 41.85,82.65 v1(48.05,82.65) ; 41.85,82.65 v1(48.05,82.65) ; 71.85,82.65 v1(78.05,82.65) ; 71.85,82.65 v1(78.05,82.65) ; 71.85,82.65 v1(78.05,82.65) ; 71.85,82.65 v1(78.05,82.65) ; 101.85,82.65 v1(108.05,82.65) ; 101.85,82.65 v1(108.05,82.65) ; 101.85,82.65 v1(108.05,82.65) ; 101.85,82.65 v1(108.05,82.65) ; 131.85,82.65 v1(138.05,82.65) ; 131.85,82.65 v1(138.05,82.65) ; 131.85,82.65 v1(138.05,82.65) ; 131.85,82.65 v1(138.05,82.65) ; 130.3,32.2 131.85,30.65 ; 130.3,32.2 131.85,30.65 ; 130.3,32.2 131.85,30.65 ; 130.3,32.2 131.85,30.65 ; 130.3,32.2 130.3,37.9 ; 130.3,32.2 130.3,37.9 ; 130.3,32.2 130.3,37.9 ; 130.3,32.2 130.3,37.9 ; 131.85,30.65 v1(138.05,30.65) ; 131.85,30.65 v1(138.05,30.65) ; 131.85,30.65 v1(138.05,30.65) ; 131.85,30.65 v1(138.05,30.65) ; 130.3,37.9 129.62,38.58 ; 130.3,37.9 129.62,38.58 ; 130.3,37.9 129.62,38.58 ; 130.3,37.9 129.62,38.58 ; J1#33.4 129.62,38.58 ; J1#33.4 129.62,38.58 ; J1#33.4 129.62,38.58 ; J1#33.4 129.62,38.58 ; J1#37.4 99.62,38.58 ; J1#37.4 99.62,38.58 ; J1#37.4 99.62,38.58 ; J1#37.4 99.62,38.58 ; 99.62,38.58 100.3,37.9 ; 99.62,38.58 100.3,37.9 ; 99.62,38.58 100.3,37.9 ; 99.62,38.58 100.3,37.9 ; 100.3,37.9 100.3,32.2 ; 100.3,37.9 100.3,32.2 ; 100.3,37.9 100.3,32.2 ; 100.3,37.9 100.3,32.2 ; 100.3,32.2 101.85,30.65 ; 100.3,32.2 101.85,30.65 ; 100.3,32.2 101.85,30.65 ; 100.3,32.2 101.85,30.65 ; 101.85,30.65 v1(108.05,30.65) ; 101.85,30.65 v1(108.05,30.65) ; 101.85,30.65 v1(108.05,30.65) ; 101.85,30.65 v1(108.05,30.65) ; 70.3,37.9 70.3,32.2 ; 70.3,37.9 70.3,32.2 ; 70.3,37.9 70.3,32.2 ; 70.3,37.9 70.3,32.2 ; 70.3,37.9 69.62,38.58 ; 70.3,37.9 69.62,38.58 ; 70.3,37.9 69.62,38.58 ; 70.3,37.9 69.62,38.58 ; 70.3,32.2 71.85,30.65 ; 70.3,32.2 71.85,30.65 ; 70.3,32.2 71.85,30.65 ; 70.3,32.2 71.85,30.65 ; 71.85,30.65 v1(78.05,30.65) ; 71.85,30.65 v1(78.05,30.65) ; 71.85,30.65 v1(78.05,30.65) ; 71.85,30.65 v1(78.05,30.65) ; J1#29.4 69.62,38.58 ; J1#29.4 69.62,38.58 ; J1#29.4 69.62,38.58 ; J1#29.4 69.62,38.58 ; J1#25.4 39.62,38.58 ; J1#25.4 39.62,38.58 ; J1#25.4 39.62,38.58 ; J1#25.4 39.62,38.58 ; 39.62,38.58 40.3,37.9 ; 39.62,38.58 40.3,37.9 ; 39.62,38.58 40.3,37.9 ; 39.62,38.58 40.3,37.9 ; 40.3,37.9 40.3,32.2 ; 40.3,37.9 40.3,32.2 ; 40.3,37.9 40.3,32.2 ; 40.3,37.9 40.3,32.2 ; 41.85,30.65 v1(48.05,30.65) ; 41.85,30.65 v1(48.05,30.65) ; 41.85,30.65 v1(48.05,30.65) ; 41.85,30.65 v1(48.05,30.65) ; 41.85,30.65 40.3,32.2 ; 41.85,30.65 40.3,32.2 ; 41.85,30.65 40.3,32.2 ; 41.85,30.65 40.3,32.2 ; J1#21.4 9.62,38.58 ; J1#21.4 9.62,38.58 ; J1#21.4 9.62,38.58 ; J1#21.4 9.62,38.58 ; 9.62,38.58 10.3,37.9 ; 9.62,38.58 10.3,37.9 ; 9.62,38.58 10.3,37.9 ; 9.62,38.58 10.3,37.9 ; 10.3,37.9 10.3,32.2 ; 10.3,37.9 10.3,32.2 ; 10.3,37.9 10.3,32.2 ; 10.3,37.9 10.3,32.2 ; 10.3,32.2 11.85,30.65 ; 10.3,32.2 11.85,30.65 ; 10.3,32.2 11.85,30.65 ; 10.3,32.2 11.85,30.65 ; 11.85,30.65 v1(18.05,30.65) ; 11.85,30.65 v1(18.05,30.65) ; 11.85,30.65 v1(18.05,30.65) ; 11.85,30.65 v1(18.05,30.65)